# Altium PCB Lay-51943_B.brd.PcbDoc (part 7 of 8) (continued)
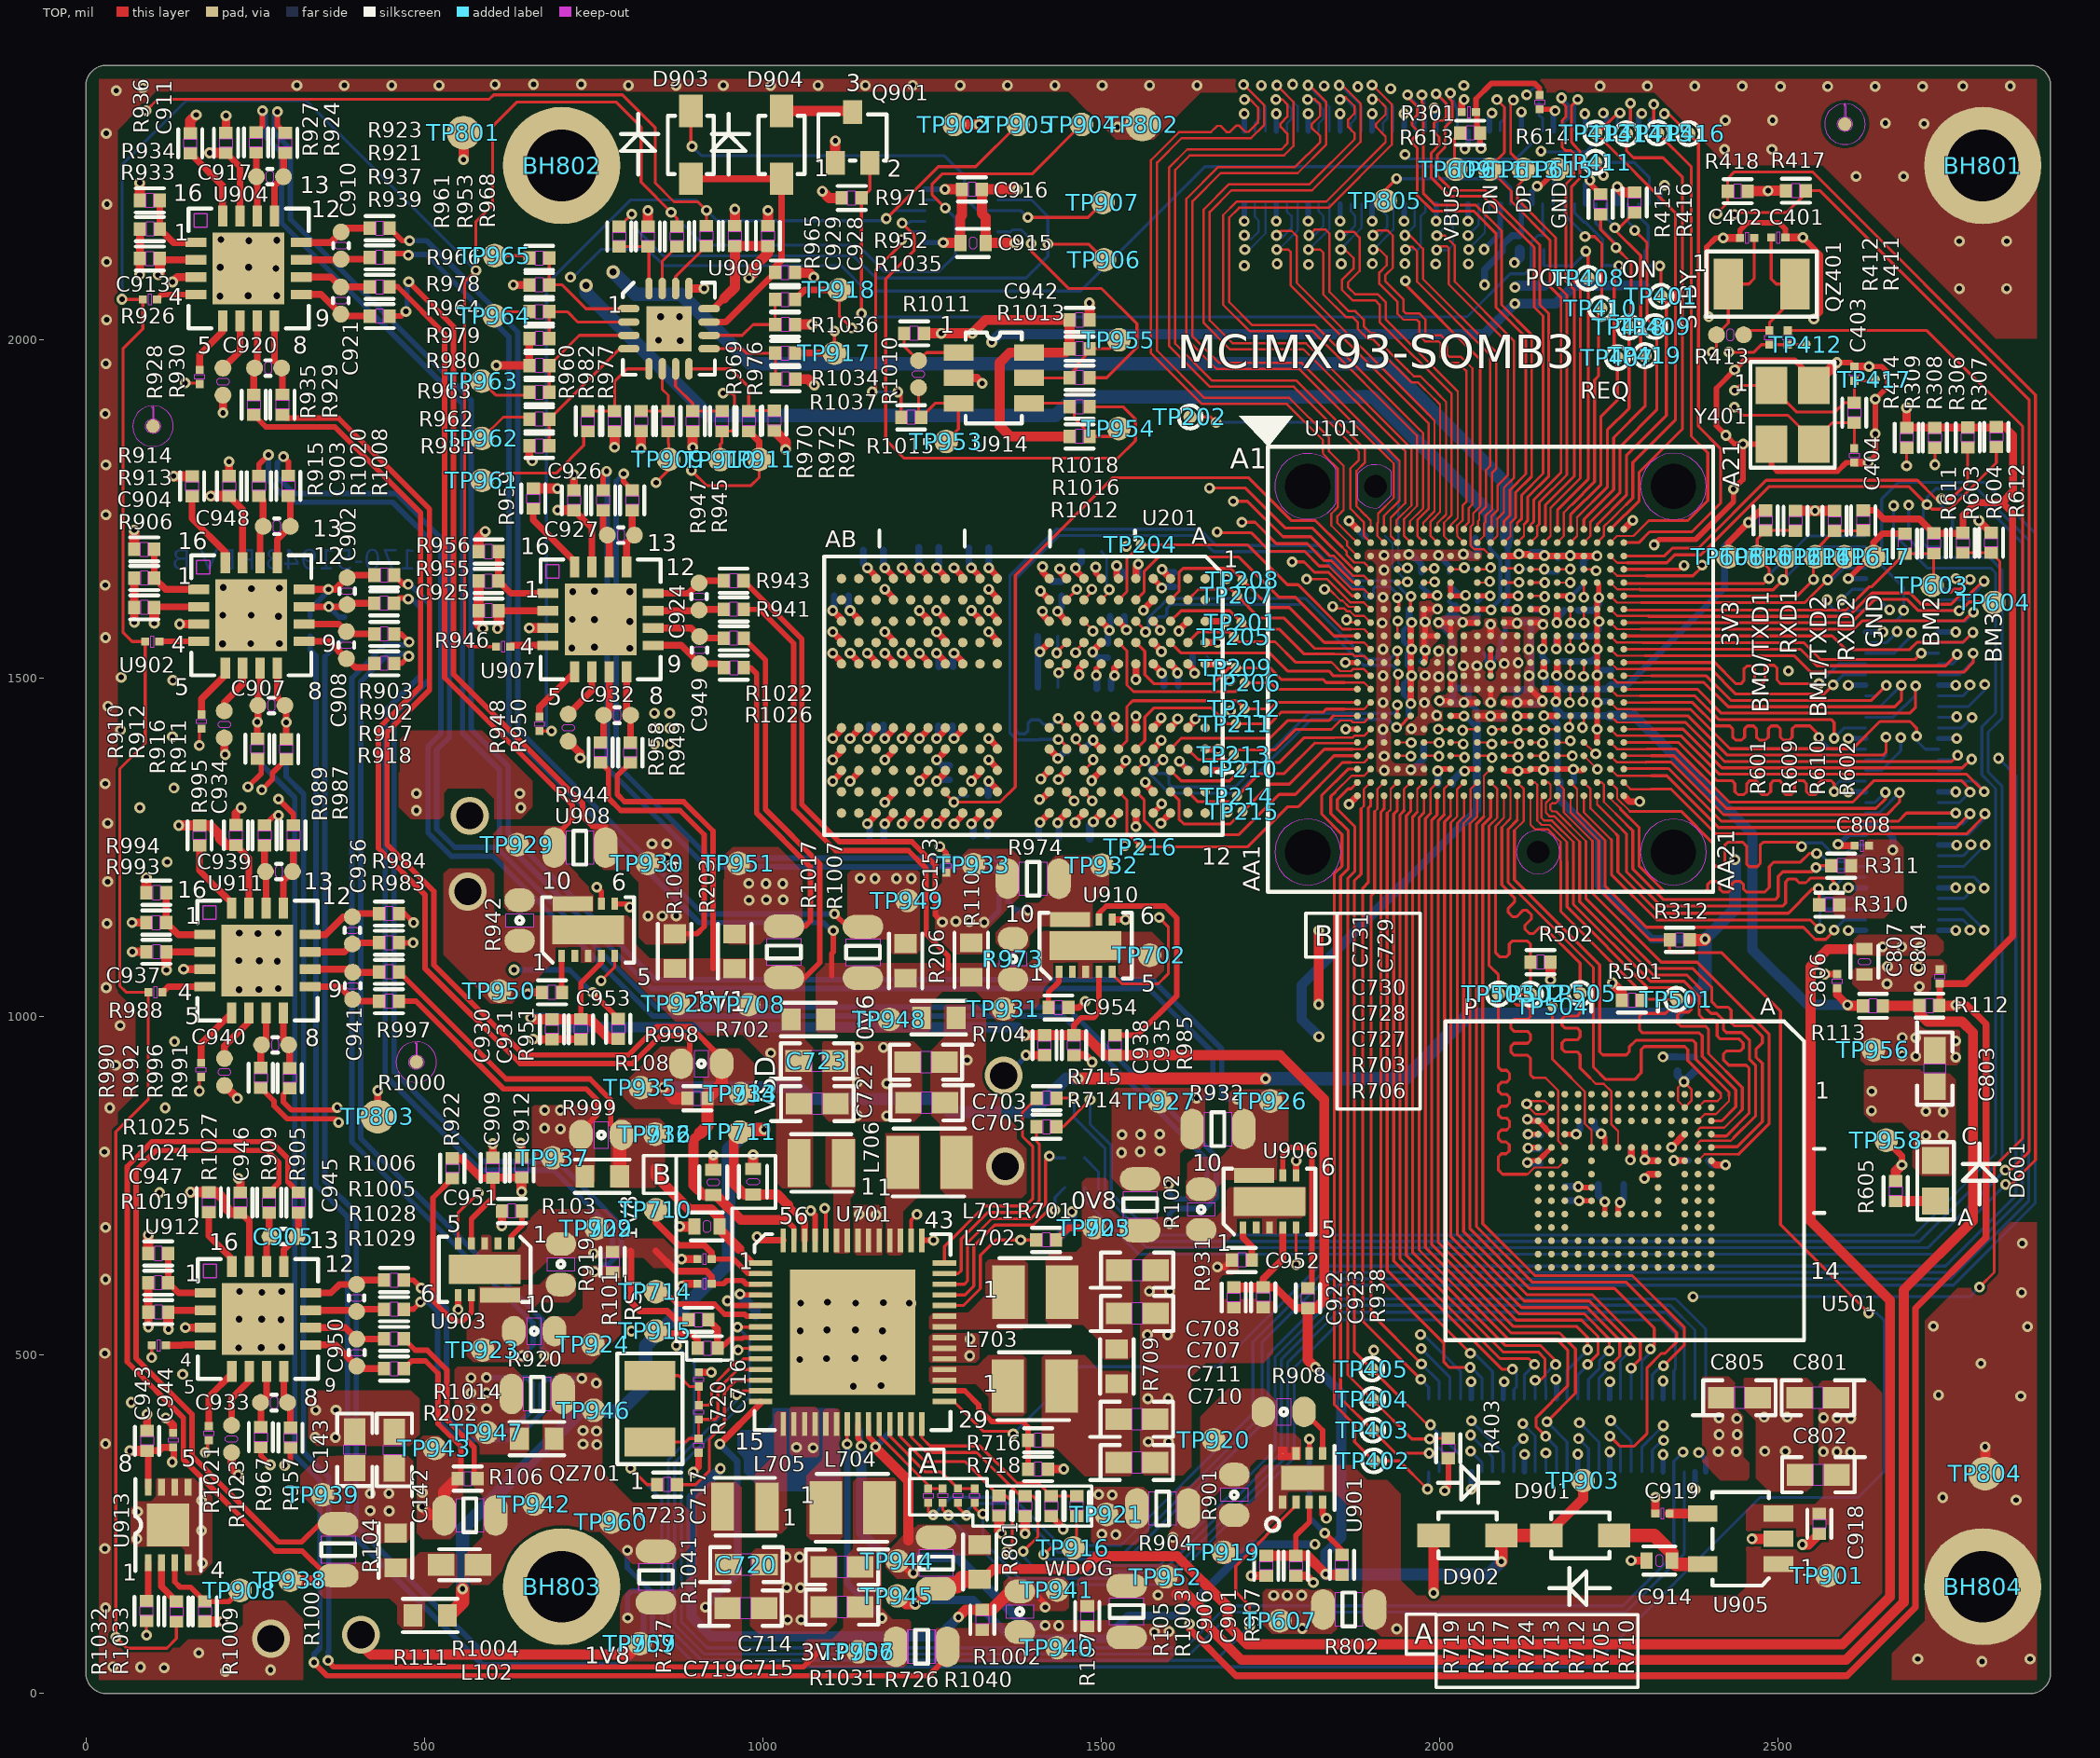
[diagram p0: TOP view]
## Polygon pours and split planes (outlines as drawn) (continued)
VDD_SOC on TOP "TOP-VDD_SOC 1" (solid, pour order 30): 27 vertices, not listed, extent 2028.93,1457.58 2121.15,1588.67
VDD_1V8 on TOP "TOP-VDD_1V8" (solid, pour order 28): 2389.6,468.76 2427.47,468.76 2436.41,459.82 2436.41,423.27 2449.3,410.38 2449.3,350.15 2458.24,341.21 2458.24,319.12 2454.29,315.17 2415.64,315.17 2388.54,342.27 2388.54,467.7
GND on TOP "TOP-GND 9" (solid, pour order 12): 2661.53,1084.86 2741.75,1084.86 2750.17,1076.44 2750.17,1065.65 2746.31,1061.79 2730.79,1061.79 2726.32,1057.32 2726.32,1039.97 2723.39,1037.04 2621.89,1037.04 2610.41,1048.52 2610.41,1067.79 2615.83,1073.21 2649.88,1073.21
VDD2_DDR on TOP "TOP-VDD2_DDR 1" (solid, pour order 9): 29 vertices, not listed, extent 1949.89,1415.98 2008.28,1550.37
GND on TOP "TOP-GND 6" (solid, pour order 8): 28 vertices, not listed, extent 2090.28,1456.59 2160.85,1591.25
GND on TOP "TOP-GND 10" (solid, pour order 6): 25 vertices, not listed, extent 1991.27,1457.16 2060.62,1592.03
VDDQ_DDR on TOP "TOP-VDDQ_DDR 1" (solid, pour order 1): 20 vertices, not listed, extent 1970.77,1533.55 2003.77,1631.67
GND on TOP "TOP-GND 11" (solid, pour order 73): 2843.54,696.21 2883.04,696.21 2883.04,20.01 2669.02,20.01 2669.02,59.09 2717.38,107.45 2717.38,551.12 2765.74,599.48 2801.48,599.48 2826.72,624.72 2826.72,679.39
NVCC_1P8 on TOP "TOP-NVCC_1P8 1" (solid, pour order 57): 20 vertices, not listed, extent 462.49,1292.37 660.1,1423.02
GND on TOP "TOP-GND 12" (solid, pour order 40): 17 vertices, not listed, extent 66.56,175.37 187.01,318.64
NetL702_1 on TOP "TOP-N113526990" (solid, pour order 29): 1334.25,641.11 1385.74,641.11 1391.82,635.03 1391.82,546 1383.95,538.13 1248.08,538.13 1246.29,539.92 1246.29,556.72 1252.37,562.8 1303.5,562.8 1329.6,588.9 1329.6,636.46
NetL704_1 on TOP "TOP-N113527504" (solid, pour order 24): 1111.51,420.86 1114.72,417.65 1114.72,329.69 1118.66,325.75 1118.66,231.72 1114.01,227.07 1071.1,227.07 1065.02,233.15 1065.02,322.53 1087.55,345.06 1087.55,416.21 1092.2,420.86
VDD_ANA_0V8 on TOP "TOP-VDD_ANA_0V8" (solid, pour order 23): 787.57,850.08 847.67,850.08 855.6,842.15 855.6,762.84 840.16,747.4 781.31,747.4 775.88,752.83 775.88,838.39
NetL703_1 on TOP "TOP-N113527270" (solid, pour order 22): 1249.51,484.14 1317.09,484.14 1333.18,500.23 1384.31,500.23 1390.03,494.51 1390.03,415.49 1381.45,406.91 1341.05,406.91 1333.89,414.07 1333.89,438.38 1314.59,457.68 1249.52,457.68 1245.94,461.26 1245.94,480.57
NVCC_SD2 on TOP "TOP-NVCC_SD2" (solid, pour order 21): 849.34,956.09 886.48,956.09 897.34,945.23 897.34,865.93 895.25,863.84 811.35,863.84 793.82,881.37 793.82,900.57
NetL701_1 on TOP "TOP-N113526638" (solid, pour order 19): 1180.91,827.78 1230.62,827.78 1232.97,825.43 1232.97,737.52 1207.48,712.03 1207.48,650.56 1204.24,647.32 1186.59,647.32 1181,652.91 1181,827.69
VSYS_5V on TOP "TOP-VSYS_5V 2" (solid, pour order 16): 1562.03,230.29 1551.67,219.93 1506.25,219.93 1490.96,219.93 1485.7,225.19 1485.7,296.52 1486.06,296.88 1486.06,301.88 1489.64,305.46 1551.94,305.46 1562.83,305.46 1570.78,297.51 1570.78,239.04
NetL705_1 on TOP "TOP-N113527663" (solid, pour order 15): 1034.63,416.57 1036.06,415.14 1036.06,244.95 1027.47,236.36 992.44,236.36 988.14,240.66 988.14,323.96 1017.11,352.93 1017.11,412.99 1020.69,416.57
NetL706_1 on TOP "TOP-N113527832" (solid, pour order 13): 1096.51,826.02 1131.21,826.02 1136.8,820.43 1136.8,739.29 1129.24,731.73 1129.24,651.43 1127.77,649.96 1106.88,649.96 1104.53,652.31 1104.53,742.03 1092.77,753.79 1092.77,822.28
VSD2_3V3 on TOP "TOP-VSD2_3V3" (solid, pour order 7): 2619.97,1121.52 2735.05,1121.52 2745.25,1111.32 2745.25,1097.29 2738.56,1090.6 2617.42,1090.6 2612.32,1095.7 2612.32,1113.87
VSYS_5V on TOP "TOP-VSYS_5V 1" (solid, pour order 4): 1320.42,530.05 1320.42,494.75 1315.13,489.46 1247.77,489.46 1246.3,490.93 1246.3,527.4 1251.3,532.4 1318.07,532.4
VSYS_5V on TOP "TOP-VSYS_5V 4" (solid, pour order 3): 1080.9,349.24 1045.6,349.24 1040.31,354.53 1040.31,421.89 1041.78,423.36 1078.25,423.36 1083.25,418.36 1083.25,351.59
VSYS_5V on TOP "TOP-VSYS_5V" (solid, pour order 2): 1136.49,721.9 1171.79,721.9 1177.08,716.61 1177.08,649.25 1175.61,647.78 1139.14,647.78 1134.14,652.78 1134.14,719.55
NVCC_1P8 on TOP "TOP-NVCC_1P8 2" (solid, pour order 0): 2049.59,1453.44 2094.86,1453.44 2100.2,1448.1 2100.2,1437.61 2098.34,1435.75 2054.53,1435.75 2048.57,1441.71 2048.57,1452.42
GND on BOTTOM "BOTTOM-GND 4" (solid, pour order 96): 21 vertices, not listed, extent 19.48,20.01 2883.04,1650.05
GND on BOTTOM "BOTTOM-GND" (solid, pour order 97): 67 vertices, not listed, extent 19.48,1679.87 2883.04,2385.83
NVCC_GPIO on BOTTOM "BOTTOM-NVCC_GPIO" (solid, pour order 69): 19 vertices, not listed, extent 2168.2,1007.85 2647.26,1473.38
VDD2_DDR on BOTTOM "BOTTOM-VDD2_DDR" (solid, remove dead copper, pour order 10): 45 vertices, not listed, extent 1931.32,1397.61 2024.33,1549.6
LPD4/X_VDD1 on BOTTOM "BOTTOM-LPD4/X_VDD1" (solid, pour order 86): 31 vertices, not listed, extent 827.27,1246.98 1576.84,1741.36
VSYS_5V on BOTTOM "BOTTOM-VSYS_5V" (solid, pour order 75): 35 vertices, not listed, extent 963.13,209.91 1540.21,730.51
VDD_3V3 on BOTTOM "BOTTOM-VDD_3V3" (solid, pour order 74): 20 vertices, not listed, extent 2173.91,706.19 2764.18,1006.27
GND on BOTTOM "BOTTOM-GND 2" (solid, pour order 71): 22 vertices, not listed, extent 963.84,400.84 1237,636.82
VDD_SOC on BOTTOM "BOTTOM-VDD_SOC" (solid, pour order 18): 37 vertices, not listed, extent 2028.06,1454.92 2123.96,1587.24
NVCC_1P8 on BOTTOM "BOTTOM-NVCC_1P8" (solid, pour order 81): 34 vertices, not listed, extent 615.75,936.37 2105.74,1451.82
NVCC_SD2 on BOTTOM "BOTTOM-NVCC_SD2" (solid, pour order 79): 18 vertices, not listed, extent 1721.65,872.63 2445.07,1449.56
NVCC_AON on BOTTOM "BOTTOM-NVCC_AON" (solid, pour order 64): 2398.07,1754.13 2457.96,1754.13 2466.97,1745.12 2466.97,1649.82 2294.07,1476.92 2176.58,1476.92 2166.59,1486.91 2166.59,1512.34 2170.77,1516.52 2229.68,1516.52 2381.97,1668.81 2381.97,1738.03
BB_VSYS_5V on BOTTOM "BOTTOM-BB_VSYS_5V" (solid, pour order 42): 18 vertices, not listed, extent 2530.33,305.26 2620.51,458.32
GND on BOTTOM "BOTTOM-GND 1" (solid, pour order 27): 2612.13,1084.37 2755.57,1084.37 2762.9,1077.04 2762.9,1039.42 2753.02,1029.54 2613.08,1029.54 2605.11,1037.51 2605.11,1077.35
VDD_1V8 on BOTTOM "BOTTOM-VDD_1V8" (solid, pour order 26): 2405.38,455.96 2454.29,455.96 2461.13,449.12 2461.13,313.41 2456.92,309.2 2408.8,309.2 2404.59,313.41 2404.59,455.17
GND on BOTTOM "BOTTOM-GND 3" (solid, pour order 25): 2468.49,453.06 2468.49,311.86 2471.41,308.94 2520.59,308.94 2522.96,311.31 2522.96,450.43 2516.38,457.01 2472.44,457.01
VSD2_3V3 on BOTTOM "BOTTOM-VSD2_3V3" (solid, pour order 5): 2616.58,1116.56 2750.79,1116.56 2755.57,1111.78 2755.57,1096.16 2750.47,1091.06 2614.03,1091.06 2611.16,1093.93 2611.16,1111.14
GND on L3_INT_1 "L3_INT_1-GND" (solid, pour order 101): 86 vertices, not listed, extent 19.48,20.01 2883.04,2385.83
VDD_ANA_0P8 on L3_INT_1 "L3_INT_1-VDD_ANA_0P8" (solid, remove dead copper, pour order 89): 30 vertices, not listed, extent 665.94,818.76 2180.3,1629.72
NVCC_BBSM_1V8 on L3_INT_1 "L3_INT_1-NVCC_BBSM_1V8" (solid, pour order 88): 21 vertices, not listed, extent 339.28,1573.6 1367.1,2358.2
VDD_1V8 on L3_INT_1 "L3_INT_1-VDD_1V8" (solid, pour order 95): 37 vertices, not listed, extent 714.74,192.29 2539.06,1102.29
LPD4/X_VDD1 on L3_INT_1 "L3_INT_1-LPD4/X_VDD1" (solid, pour order 85): 929.94,1710.51 1263.33,1710.51 1304.63,1669.21 1304.63,1333.52 1342.86,1295.29 1533.26,1295.29 1540.14,1288.41 1540.14,1237.18 1530.2,1227.24 920,1227.24 823.65,1323.59 823.65,1604.22
VSYS_5V on L3_INT_1 "L3_INT_1-VSYS_5V" (solid, pour order 80): 1814.21,266.99 1814.21,141.8 1799.48,127.07 1693.22,127.07 1663.77,156.52 1663.77,240.69 1566.99,337.47 1043.08,337.47 1027.3,353.25 1027.3,404.8 1048.34,425.84 1145.26,425.84 1270.51,551.09 1569.87,551.09 1814.21,306.75
NVCC_1P8 on L3_INT_1 "L3_INT_1-NVCC_1P8" (solid, pour order 76): 21 vertices, not listed, extent 268.1,261.61 522.69,1353.49
GND on L2_GND_1 "L2_GND_1-GND" (solid, pour order 102): 19.51,2385.8 2883.01,2385.8 2883.01,296.89 2883.01,103.46 2883.01,100.8 2883.01,20.04 19.51,20.04
GND on L5_GND_2 "L5_GND_2-GND" (solid, pour order 103): 19.51,2385.8 2883.01,2385.8 2883.01,2361.15 2883.03,2361.14 2883.03,2175.72 2883.01,2175.7 2883.01,315.05 2883.01,315.04 2883.01,104.27 2883.02,104.26 2883.01,104.25 2883.01,104.23 2883.01,20.04 19.51,20.04

## Keep-outs
TOP:
  region: 69.1,1872.72 ccw(c99.1,1872.72) 99.1,1842.72 ccw(c99.1,1872.72) 129.1,1872.72 ccw(c99.6,1873.22) 99.6,1902.72 99.1,1902.72 99.1,1900.72 100.1,1900.72 100.1,1893.72 100.1,1883.72 cw(c99.05,1872.72) 110.1,1872.72 cw(c99.1,1872.72) 99.1,1883.72 99.1,1889.72 99.1,1893.72 99.1,1899.72 98.1,1899.72 98.1,1902.72 ccw(c99.12,1872.72)
  region: 458.31,933.08 ccw(c488.31,933.08) 488.31,903.08 ccw(c488.31,933.08) 518.31,933.08 ccw(c488.81,933.58) 488.81,963.08 488.31,963.08 488.31,961.08 489.31,961.08 489.31,954.08 489.31,944.08 cw(c488.26,933.08) 499.31,933.08 cw(c488.31,933.08) 488.31,944.08 488.31,950.08 488.31,954.08 488.31,960.08 487.31,960.08 487.31,963.08 ccw(c488.33,933.08)
  region: 2569.36,2319.04 ccw(c2599.36,2319.04) 2599.36,2289.04 ccw(c2599.36,2319.04) 2629.36,2319.04 ccw(c2599.86,2319.54) 2599.86,2349.04 2599.36,2349.04 2599.36,2347.04 2600.36,2347.04 2600.36,2340.04 2600.36,2330.04 cw(c2599.31,2319.04) 2610.36,2319.04 cw(c2599.36,2319.04) 2599.36,2330.04 2599.36,2336.04 2599.36,2340.04 2599.36,2346.04 2598.36,2346.04 2598.36,2349.04 ccw(c2599.38,2319.04)
L2_GND_1:
  region: 2041.85,1700.85 2040.26,1704.69 2036.42,1706.28 2033.89,1705.23 2032.58,1704.69 2030.99,1700.85 2032.58,1697.01 2033.89,1696.47 2036.42,1695.42 2040.26,1697.01 2041.85,1700.85
  region: 2002.54,1720.42 2000.95,1724.26 1997.11,1725.85 1994.58,1724.8 1993.27,1724.26 1991.68,1720.42 1993.27,1716.58 1994.58,1716.04 1997.11,1714.99 2000.95,1716.58 2002.54,1720.42
  region: 2061.32,1720.47 2059.73,1724.31 2055.89,1725.9 2053.36,1724.85 2052.05,1724.31 2050.46,1720.47 2052.05,1716.63 2053.36,1716.09 2055.89,1715.04 2059.73,1716.63 2061.32,1720.47
  region: 2041.79,1720.45 2040.2,1724.29 2036.36,1725.88 2033.83,1724.83 2032.52,1724.29 2030.93,1720.45 2032.52,1716.61 2033.83,1716.07 2036.36,1715.02 2040.2,1716.61 2041.79,1720.45
  region: 1982.69,1720.3 1981.1,1724.14 1977.26,1725.73 1974.73,1724.68 1973.42,1724.14 1971.83,1720.3 1973.42,1716.46 1974.73,1715.92 1977.26,1714.87 1981.1,1716.46 1982.69,1720.3
  region: 2022.08,1720.42 2020.49,1724.26 2016.65,1725.85 2014.12,1724.8 2012.81,1724.26 2011.22,1720.42 2012.81,1716.58 2014.12,1716.04 2016.65,1714.99 2020.49,1716.58 2022.08,1720.42
  region: 2061.5,1641.7 2059.91,1645.54 2056.07,1647.13 2053.54,1646.08 2052.23,1645.54 2050.64,1641.7 2052.23,1637.86 2053.54,1637.32 2056.07,1636.27 2059.91,1637.86 2061.5,1641.7
  region: 2061.44,1700.63 2059.85,1704.47 2056.01,1706.06 2053.48,1705.01 2052.17,1704.47 2050.58,1700.63 2052.17,1696.79 2053.48,1696.25 2056.01,1695.2 2059.85,1696.79 2061.44,1700.63
  region: 1982.62,1661.48 1981.03,1665.32 1977.19,1666.91 1974.66,1665.86 1973.35,1665.32 1971.76,1661.48 1973.35,1657.64 1974.66,1657.1 1977.19,1656.05 1981.03,1657.64 1982.62,1661.48
  region: 2002.36,1700.7 2000.77,1704.54 1996.93,1706.13 1994.4,1705.08 1993.09,1704.54 1991.5,1700.7 1993.09,1696.86 1994.4,1696.32 1996.93,1695.27 2000.77,1696.86 2002.36,1700.7
  region: 2081.16,1720.41 2079.57,1724.25 2075.73,1725.84 2073.2,1724.79 2071.89,1724.25 2070.3,1720.41 2071.89,1716.57 2073.2,1716.03 2075.73,1714.98 2079.57,1716.57 2081.16,1720.41
  region: 2061.39,1661.3 2059.8,1665.14 2055.96,1666.73 2053.43,1665.68 2052.12,1665.14 2050.53,1661.3 2052.12,1657.46 2053.43,1656.92 2055.96,1655.87 2059.8,1657.46 2061.39,1661.3
  region: 1982.8,1641.88 1981.21,1645.72 1977.37,1647.31 1974.84,1646.26 1973.53,1645.72 1971.94,1641.88 1973.53,1638.04 1974.84,1637.5 1977.37,1636.45 1981.21,1638.04 1982.8,1641.88
  region: 1982.66,1700.67 1981.07,1704.51 1977.23,1706.1 1974.7,1705.05 1973.39,1704.51 1971.8,1700.67 1973.39,1696.83 1974.7,1696.29 1977.23,1695.24 1981.07,1696.83 1982.66,1700.67
  region: 2022.07,1700.73 2020.48,1704.57 2016.64,1706.16 2014.11,1705.11 2012.8,1704.57 2011.21,1700.73 2012.8,1696.89 2014.11,1696.35 2016.64,1695.3 2020.48,1696.89 2022.07,1700.73
  region: 2081.1,1700.87 2079.51,1704.71 2075.67,1706.3 2073.14,1705.25 2071.83,1704.71 2070.24,1700.87 2071.83,1697.03 2073.14,1696.49 2075.67,1695.44 2079.51,1697.03 2081.1,1700.87
L5_GND_2:
  region: 2054.27,2214.93 2054.27,2187.89 2078.01,2187.89 2078.01,2214.93
  region: 1723.58,2322.53 1723.58,2295.49 1747.32,2295.49 1747.32,2322.53
  region: 1912.44,2322.3 1912.44,2295.26 1936.18,2295.26 1936.18,2322.3
  region: 1817.96,2214.77 1817.96,2187.73 1841.7,2187.73 1841.7,2214.77
  region: 1911.8,2215.25 1911.8,2188.21 1935.54,2188.21 1935.54,2215.25
  region: 1959.62,2214.77 1959.62,2187.73 1983.36,2187.73 1983.36,2214.77
  region: 1817.96,2322.46 1817.96,2295.42 1841.7,2295.42 1841.7,2322.46
  region: 2006.79,2214.93 2006.79,2187.89 2030.53,2187.89 2030.53,2214.93
  region: 1864.96,2215.09 1864.96,2188.05 1888.7,2188.05 1888.7,2215.09
  region: 1770.74,2322.37 1770.74,2295.33 1794.48,2295.33 1794.48,2322.37
  region: 1723.3,2214.77 1723.3,2187.73 1747.04,2187.73 1747.04,2214.77
  region: 1770.47,2214.77 1770.47,2187.73 1794.21,2187.73 1794.21,2214.77
  region: 1865.44,2322.46 1865.44,2295.42 1889.18,2295.42 1889.18,2322.46
BOTTOM:
  region: 139.22,1871.88 cw(c109.22,1871.88) 109.22,1841.88 cw(c109.22,1871.88) 79.22,1871.88 cw(c108.72,1872.38) 108.72,1901.88 109.22,1901.88 109.22,1899.88 108.22,1899.88 108.22,1892.88 108.22,1882.88 ccw(c109.27,1871.88) 98.22,1871.88 ccw(c109.22,1871.88) 109.22,1882.88 109.22,1888.88 109.22,1892.88 109.22,1898.88 110.22,1898.88 110.22,1901.88 cw(c109.2,1871.88)
  region: 696.82,666.4 cw(c666.82,666.4) 666.82,636.4 cw(c666.82,666.4) 636.82,666.4 cw(c666.32,666.9) 666.32,696.4 666.82,696.4 666.82,694.4 665.82,694.4 665.82,687.4 665.82,677.4 ccw(c666.87,666.4) 655.82,666.4 ccw(c666.82,666.4) 666.82,677.4 666.82,683.4 666.82,687.4 666.82,693.4 667.82,693.4 667.82,696.4 cw(c666.8,666.4)
  region: 2599.8,2318.92 cw(c2569.8,2318.92) 2569.8,2288.92 cw(c2569.8,2318.92) 2539.8,2318.92 cw(c2569.3,2319.42) 2569.3,2348.92 2569.8,2348.92 2569.8,2346.92 2568.8,2346.92 2568.8,2339.92 2568.8,2329.92 ccw(c2569.85,2318.92) 2558.8,2318.92 ccw(c2569.8,2318.92) 2569.8,2329.92 2569.8,2335.92 2569.8,2339.92 2569.8,2345.92 2570.8,2345.92 2570.8,2348.92 cw(c2569.78,2318.92)

## Other copper
BOTTOM:
  region net VSYS_5V: 1048.83,422.29 1075.49,422.29 1075.49,421.7 1107.09,421.7 1110.79,418 1110.79,397.61 1110.08,396.9 1110.08,384.03 1115.95,378.16 1114.83,376.76 ccw(c1124.98,368.62) 1111.97,368.62 ccw(c1124.99,368.61) 1114.97,360.3 1114.97,298.94 1000.31,298.94 972.61,326.64 972.61,343.1 ccw(c962.59,343.1) 969.68,350.18 963.13,356.73 963.13,383.32 968.76,388.94 990.69,388.94 990.69,390.47 1005.67,390.47 1014.61,399.41 1014.61,421.7 1048.83,421.7
  text "170-51943 REV B" at 488.78,1660.55 h30

## Silkscreen, mask and mechanical layers (free items; w line width, h text height)
Top Overlay:
  region: 1747,1842.5 1704,1888 1784,1888
  lines w5: 872.27,739.32 824.17,739.32 824.17,794.8 872.27,794.8 ; 1217.48,317.83 1217.48,361.22 1268,361.22 1268,320.3 ; 1846.86,1088.12 1802.71,1088.12 1802.71,1152.77 1848.96,1152.77 ; 1994.54,58.44 1951.14,58.44 1951.14,117.14 1995.25,117.14 1995.25,9.33 2293.41,9.33 2293.41,116.78 1998.81,116.78 ; 872.27,794.8 898.22,794.8 1019.13,794.8 1019.13,717 954.99,717 954.99,492.77 888.04,492.77 888.04,520.1 872.27,520.1 872.27,794.8 ; 1848.96,1152.77 1971.97,1152.77 1971.97,863.65 1848.96,863.65 1848.96,1152.77 ; 1217.11,264.09 1310.69,264.09 1310.69,247.36 1486.09,247.36 1486.09,306.43 1331.68,306.43 1331.68,317.46 1234.19,317.46 1217.11,317.46 1217.11,264.09
  text "DP" at 2136,2187 h22 r90
  text "DN" at 2086,2184 h22 r90
  text "GND" at 2188,2164 h22 r90
  text "VBUS" at 2029,2146 h22 r90
  text "ON" at 2269,2092 h25
  text "POR" at 2127,2080 h25
  text "STBY" at 2380,2016 h25 r90
  text "MCIMX93-SOMB3" at 1612,1958 h50
  text "REQ" at 2208,1913.38 h25
  text "3V3" at 2442,1547.26 h25 r90
  text "BM2" at 2739,1546 h25 r90
  text "GND" at 2655,1544.64 h25 r90
  text "RXD1" at 2527.91,1535.71 h25 r90
  text "RXD2" at 2613.83,1525 h25 r90
  text "BM3" at 2831,1523 h25 r90
  text "BM0/TXD1" at 2486.74,1449.3 h25 r90
  text "BM1/TXD2" at 2572.66,1442.52 h25 r90
  text "B" at 1815.35,1104.57 h30
  text "1V1" at 896,1008 h30
  text "0V6" at 1164,965 h25 r90
  text "VSD" at 1018.91,855.49 h30 r90
  text "B" at 837,752 h30
  text "0V8" at 1455.91,716.22 h25
  text "1V8" at 815,669 h25 r90
  text "RST" at 821,550 h25 r90
  text "A" at 1230.57,325 h30
  text "WDOG" at 1416.75,173.55 h22
  text "A" at 1962.57,73 h30
  text "3V3" at 1056,49 h25
  text "1V8" at 737,44 h25
Bottom Overlay:
  circle w8: c2602.58,1948.73 r39
  circle w8: c2602.58,1948.73 r39
  lines w4: 1985.99,1027.62 1985.99,715.94 1544.09,715.94 1544.09,1029.05 1987.42,1029.05 1987.42,1471.06 ; 1985.99,1505.47 1985.99,1538.91 2000.22,1538.91 2000.22,1626.08 2146.81,1626.08 2146.81,1532.86 2124.4,1532.86 2124.4,1470.98 ; 1989.55,1505.47 1989.55,1475.58 2027.26,1475.58 2027.26,1469.89 2087.88,1469.89 ; 2105.88,1469.89 2124.27,1469.89
  lines w8: 891.78,1527.1 ccw(c898.98,1551.79) 897.78,1526.1 ; 891.78,1527.1 ccw(c884.78,1503.1) 884.78,1528.1 cw(c884.78,1503.1) 891.78,1527.1 ; 891.78,1527.1 ccw(c898.98,1551.79) 897.78,1526.1 ; 895.78,1485.1 ccw(c871.78,1464.42) 871.78,1496.1 cw(c871.78,1464.42) 895.78,1485.1 ; 895.78,1485.1 ccw(c919.09,1505.21) 902.78,1479.1 ; 895.78,1485.1 ccw(c919.09,1505.21) 902.78,1479.1 ; 897.78,1526.1 ccw(c905.28,1686.71) 912.78,1526.1 ; 897.78,1526.1 ccw(c905.28,1686.71) 912.78,1526.1 ; 902.78,1479.1 938.78,1467.1 ; 902.78,1479.1 938.78,1467.1 ; 912.78,1526.1 ccw(c907.49,1639.29) 937.78,1530.1 ; 912.78,1526.1 ccw(c907.49,1639.29) 937.78,1530.1 ; 937.78,1530.1 cw(c949.46,1488) 976.78,1522.1 ; 937.78,1530.1 cw(c949.46,1488) 976.78,1522.1 ; 938.78,1467.1 cw(c938.78,1442.08) 963.78,1443.1 ; 938.78,1467.1 cw(c938.78,1442.08) 963.78,1443.1 ; 963.78,1443.1 ccw(c969.5,1445.27) 972.78,1440.1 cw(c969.5,1445.27) 963.78,1443.1 ; 965.78,1469.1 ccw(c941.19,1450.78) 945.78,1481.1 cw(c941.19,1450.78) 965.78,1469.1 ; 965.78,1469.1 cw(c798.16,1344.31) 972.78,1459.1 ; 965.78,1469.1 cw(c798.16,1344.31) 972.78,1459.1 ; 972.78,1459.1 cw(c958.48,1449.73) 973.78,1442.1 ccw(c958.48,1449.73) 972.78,1459.1 ; 976.78,1522.1 cw(c966.91,1509.76) 981.78,1515.1 ; 976.78,1522.1 cw(c966.91,1509.76) 981.78,1515.1 ; 981.78,1483.1 ccw(c988.85,1493.52) 986.78,1481.1 ; 981.78,1483.1 cw(c1137.24,1710.82) 966.78,1494.1 ccw(c1137.24,1710.82) 981.78,1483.1 ; 981.78,1483.1 ccw(c988.85,1493.52) 986.78,1481.1 ; 981.78,1515.1 ccw(c995.36,1519.92) 988.78,1507.1 ; 981.78,1515.1 ccw(c995.36,1519.92) 988.78,1507.1 ; 986.78,1481.1 992.78,1480.1 ; 986.78,1481.1 992.78,1480.1 ; 987.78,1444.1 ccw(c992.28,1441.77) 995.78,1438.1 ; 987.78,1444.1 ccw(c992.28,1441.77) 995.78,1438.1 ; 987.78,1444.1 990.78,1450.1 ; 987.78,1444.1 990.78,1450.1 ; 988.78,1464.1 cw(c1003.89,1466.27) 989.78,1472.1 ; 988.78,1464.1 cw(c1003.89,1466.27) 989.78,1472.1 ; 988.78,1464.1 990.78,1450.1 ; 988.78,1464.1 990.78,1450.1 ; 988.78,1507.1 993.78,1503.1 ; 988.78,1507.1 993.78,1503.1 ; 989.78,1472.1 ccw(c853.78,1527.66) 992.78,1480.1 ; 989.78,1472.1 ccw(c853.78,1527.66) 992.78,1480.1 ; 993.78,1503.1 999.78,1498.1 ; 993.78,1503.1 999.78,1498.1 ; 995.78,1438.1 ccw(c978.64,1455.1) 1002.78,1455.1 ; 995.78,1438.1 ccw(c978.64,1455.1) 1002.78,1455.1 ; 999.78,1498.1 cw(c988.88,1485.02) 1005.78,1487.1 ccw(c988.88,1485.02) 999.78,1498.1 ; 1002.78,1455.1 1002.78,1468.1 ; 1002.78,1455.1 1002.78,1468.1 ; 1002.78,1468.1 1003.78,1476.1 ; 1002.78,1468.1 1003.78,1476.1 ; 1003.78,1476.1 1004.78,1482.1 ; 1003.78,1476.1 1004.78,1482.1 ; 1004.78,1482.1 1005.78,1486.1 1004.78,1482.1 ; 262.72,1723.71 262.72,1923.71 1062.72,1923.71 1062.72,1723.71 262.72,1723.71 ; 265.94,1961.09 265.94,2161.09 1065.94,2161.09 1065.94,1961.09 265.94,1961.09 ; 979.65,59.9 979.65,259.9 1669.65,259.9 1669.65,59.9 979.65,59.9 ; 2582.58,1938.73 ccw(c2602.58,1947.73) 2587.58,1963.73 cw(c2602.58,1947.73) 2582.58,1938.73
  lines w10: 820.78,1403.1 943.78,1652.1 ; 820.78,1403.1 943.78,1652.1 ; 820.78,1403.1 1068.78,1403.1 820.78,1403.1 ; 943.78,1652.1 1069.78,1403.1 943.78,1652.1 ; 817.78,1403.1 1007.78,1525.1 817.78,1403.1
  text "SCH-51943 REV B.M" at 1041,2088 h40
  text "TRANSLATED TO ALTIUM" at 1044,2002 h40
  text "2024 NXP SEMICONDUCTORS" at 2538,1930 h40
  text "700-51943 REV B.M" at 1035,1845 h40
  text ".ItemAndRevision" at 1036,1762 h40
  text "S/N" at 1807,132.71 h40
Board Outline:
  lines w1: 0,0 2903.05,0 2903.05,2405.84 0,2405.84 0,0
Fab Notes:
  lines w7: -5684.6,-7494.15 4365.4,-7494.15 ; -5684.6,-7294.15 4365.4,-7294.15 ; -5684.6,-7094.15 4365.4,-7094.15 ; -5684.6,-6894.15 4365.4,-6894.15 ; -5684.6,-6694.15 4365.4,-6694.15 ; -5684.6,-6494.15 4365.4,-6494.15 ; -5684.6,-6294.15 4365.4,-6294.15 ; -5684.6,-6094.15 4365.4,-6094.15 ; -5684.6,-5894.15 4365.4,-5894.15 ; -5684.6,-5694.15 4365.4,-5694.15 ; -5684.6,-5538.35 -5684.6,-8138.35 4365.4,-8138.35 4365.4,-5538.35 ; -5684.6,-5316.25 -5684.6,-7916.25 4365.4,-7916.25 4365.4,-5316.25 ; -4884.6,-8138.35 -4884.6,-5538.35 ; -4884.6,-7916.25 -4884.6,-5316.25 ; -4884.6,-7694.15 -4884.6,-5094.15 ; -4884.6,-5294.15 4365.4,-5294.15 ; -4034.6,-8138.35 -4034.6,-5738.35 ; -4034.6,-7916.25 -4034.6,-5516.25 ; -4034.6,-7694.15 -4034.6,-5294.15 ; -3334.6,-8138.35 -3334.6,-5538.35 ; -3334.6,-7916.25 -3334.6,-5316.25 ; -3334.6,-7694.15 -3334.6,-5094.15 ; -2534.6,-8138.35 -2534.6,-5738.35 ; -2534.6,-7916.25 -2534.6,-5516.25 ; -2534.6,-7694.15 -2534.6,-5294.15 ; -1634.6,-8138.35 -1634.6,-5738.35 ; -1634.6,-7916.25 -1634.6,-5516.25 ; -1634.6,-7694.15 -1634.6,-5294.15 ; -846.6,-5738.35 -834.6,-8138.35 ; -846.6,-5516.25 -834.6,-7916.25 ; -846.6,-5294.15 -834.6,-7694.15 ; -34.6,-8138.35 -34.6,-5738.35 ; -34.6,-7916.25 -34.6,-5516.25 ; -34.6,-7694.15 -34.6,-5294.15 ; 865.4,-8138.35 865.4,-5738.35 ; 865.4,-7916.25 865.4,-5516.25 ; 865.4,-7694.15 865.4,-5294.15 ; 1765.4,-8138.35 1765.4,-5738.35 ; 1765.4,-7916.25 1765.4,-5516.25 ; 1765.4,-7694.15 1765.4,-5294.15 ; 2665.4,-8138.35 2665.4,-5738.35 ; 2665.4,-7916.25 2665.4,-5516.25 ; 2665.4,-7694.15 2665.4,-5294.15 ; 3565.4,-8138.35 3565.4,-5738.35 ; 3565.4,-7916.25 3565.4,-5516.25 ; 3565.4,-7694.15 3565.4,-5294.15 ; -5684.6,-7694.15 -5684.6,-5094.15 4365.4,-5094.15 4365.4,-7694.15 -5684.6,-7694.15
  text "Single Ended" at -4680.6,-5236.15 h94
  text "Differential" at -134.6,-5244.15 h94
  text "Impedance" at -1565.6,-5437.15 h63
  text "Impedance" at 934.4,-5437.15 h63
  text "Impedance" at 3634.4,-5437.15 h63
  text "Impedance" at -3995.6,-5442.15 h63
  text "Layers" at -5634.6,-5444.15 h94
  text "Trace Spacing" at -2484.6,-5444.15 h63
  text "Trace Spacing" at 15.4,-5444.15 h63
  text "Trace Spacing" at 2715.4,-5444.15 h63
  text "Trace Width" at -4830.6,-5452.15 h63
  text "Trace Width" at -3270.6,-5452.15 h63
  text "Trace Width" at -770.6,-5452.15 h63
  text "Trace Width" at 1929.4,-5452.15 h63
  text "(Mils)" at -4784.6,-5544.15 h80
  text "(Ohms)" at -3984.6,-5544.15 h63
  text "(Mils)" at -3234.6,-5544.15 h63
  text "\"Airgap\"" at -2484.6,-5544.15 h63
  text "(Ohms)" at -1534.6,-5544.15 h63
  text "(Mils)" at -734.6,-5544.15 h63
  text "\"Airgap\"" at 15.4,-5544.15 h63
  text "(Ohms)" at 965.4,-5544.15 h63
  text "(Mils)" at 1965.4,-5544.15 h63
  text "\"Airgap\"" at 2715.4,-5544.15 h63
  text "(Ohms)" at 3665.4,-5544.15 h63
  text "(Mils)" at -2296.6,-5659.15 h63
  text "(Mils)" at 203.4,-5659.15 h63
  text "(Mils)" at 2903.4,-5659.15 h63
  text "4.6" at -3019.94,-5832.21 h80
  text "4" at -404.6,-5831.65 h80
  text "L1_TOP" at -5550.1,-5832.75 h80
  text "4.4" at -2167.52,-5836.11 h80
  text "90" at 1125.4,-5839.55 h80
  text "3.4" at 2209.2,-5842.85 h80
  text "4.4" at -4625.1,-5844.05 h80
  text "4.5" at 295.4,-5846.65 h80
  text "50" at -3665.8,-5851.65 h80
  text "85" at -1354.79,-5852.02 h80
  text "5.6" at 3002.7,-5868.85 h80
  text "100" at 3803.1,-5869.15 h80
  text "3.6" at -4633.09,-6422.68 h80
  text "L3_IN1" at -5587,-6424.25 h80
  text "85" at -1434.19,-6425.95 h80
  text "2.9" at 2194.5,-6426.95 h80
  text "50" at -3682.4,-6427.55 h80
  text "3.4" at -3033.29,-6427.95 h80
  text "4.5" at -2177.79,-6428.95 h80
  text "3.2" at -424.2,-6435.35 h80
  text "90" at 1105.8,-6443.25 h80
  text "5.3" at 275.8,-6450.35 h80
  text "8.1" at 2988,-6452.95 h80
  text "100" at 3788.4,-6453.25 h80
  text "90" at 1103.8,-7033.75 h80
  text "50" at -3681.8,-7038.15 h80
  text "85" at -1439.57,-7038.27 h80
  text "4.5" at 266.4,-7040.85 h80
  text "4.4" at -4615.2,-7045.35 h80
  text "4.6" at -3043.73,-7045.34 h80
  text "3.4" at 2096.5,-7047.45 h80
  text "L6_BOTTOM" at -5684.7,-7049.85 h80
  text "4" at -423.46,-7051.2 h80
  text "5.6" at 2976.18,-7050.58 h80
  text "4.4" at -2183.17,-7051.41 h80
  text "100" at 3809.69,-7055.98 h80
Drill Drawing:
  circle w1: c8087.27,5323.76 r60
  circle w1: c8087.27,6073.76 r60
  circle w1: c8087.27,5073.76 r60
  circle w1: c8087.27,5573.76 r60
  lines w1: 7637.77,4448.76 14612.77,4448.76 ; 7637.77,4698.76 14612.77,4698.76 ; 7637.77,4948.76 14612.77,4948.76 ; 7637.77,5198.76 14612.77,5198.76 ; 7637.77,5448.76 14612.77,5448.76 ; 7637.77,5698.76 14612.77,5698.76 ; 7637.77,5948.76 14612.77,5948.76 ; 7637.77,6198.76 14612.77,6198.76 ; 7637.77,6448.76 14612.77,6448.76 ; 7637.77,6698.76 14612.77,6698.76 ; 8027.27,5823.76 8147.27,5823.76 ; 8087.27,5763.76 8087.27,5883.76 ; 8536.77,4198.76 8536.77,6448.76 ; 10551.77,4198.76 10551.77,6448.76 ; 12566.77,4198.76 12566.77,6448.76 ; 13837.77,4198.76 13837.77,6448.76 ; 7637.77,4198.76 14612.77,4198.76 14612.77,6948.76 7637.77,6948.76 7637.77,4198.76 ; 8027.27,4513.76 8147.27,4513.76 8147.27,4633.76 8027.27,4633.76 8027.27,4513.76 ; 8027.27,4823.76 8057.27,4883.76 8117.27,4883.76 8147.27,4823.76 8117.27,4763.76 8057.27,4763.76 8027.27,4823.76 ; 8057.27,4203.76 ccw(c8057.27,4323.76) 8057.27,4443.76 8117.27,4443.76 ccw(c8117.27,4323.76) 8117.27,4203.76 8057.27,4203.76
  text "DRILL CHART: TOP to BOTTOM" at 9825.27,6761.26 h125
  text "ALL UNITS ARE IN MILS" at 10075.27,6511.26 h125
  text "FIGURE" at 7787.27,6261.26 h125
  text "FINISHED_SIZE" at 8894.27,6261.26 h125
  text "TOLERANCE_DRILL" at 10809.27,6261.26 h125
  text "PLATED" at 12902.27,6261.26 h125
  text "QTY" at 14075.27,6261.26 h125
  text "8.0" at 9394.27,6011.26 h125
  text "+0.0/-0.0" at 11109.27,6011.26 h125
  text "PLATED" at 12902.27,6011.26 h125
  text "28" at 14125.27,6011.26 h125
  text "8.0" at 9394.27,5761.26 h125
  text "+0.0/-8.0" at 11109.27,5761.26 h125
  text "PLATED" at 12902.27,5761.26 h125
  text "1038" at 14025.27,5761.26 h125
  text "10.0" at 9344.27,5511.26 h125
  text "+0.0/-10.0" at 11059.27,5511.26 h125
  text "PLATED" at 12902.27,5511.26 h125
  text "64" at 14125.27,5511.26 h125
  text "10.0" at 9344.27,5261.26 h125
  text "+0.0/-10.0" at 11059.27,5261.26 h125
  text "PLATED" at 12902.27,5261.26 h125
  text "2" at 14175.27,5261.26 h125
  text "40.0" at 9344.27,5011.26 h125
  text "+0.0/-0.0" at 11109.27,5011.26 h125
  text "PLATED" at 12902.27,5011.26 h125
  text "6" at 14175.27,5011.26 h125
  text "106.0" at 9294.27,4761.26 h125
  text "+3.0/-3.0" at 11109.27,4761.26 h125
  text "PLATED" at 12902.27,4761.26 h125
  text "4" at 14175.27,4761.26 h125
  text "33.4" at 9344.27,4511.26 h125
  text "+1.0/-1.0" at 11109.27,4511.26 h125
  text "NON-PLATED" at 12702.27,4511.26 h125
  text "2" at 14175.27,4511.26 h125
  text "66.9" at 9344.27,4261.26 h125
  text "+4.0/-4.0" at 11109.27,4261.26 h125
  text "NON-PLATED" at 12702.27,4261.26 h125
  text "4" at 14175.27,4261.26 h125
  text "TOTAL HOLES:" at 12512.77,4011.26 h125
  text "1148" at 14025.27,4011.26 h125